# Altium PCB XT_NANO_DOCK.PcbDoc (continued)
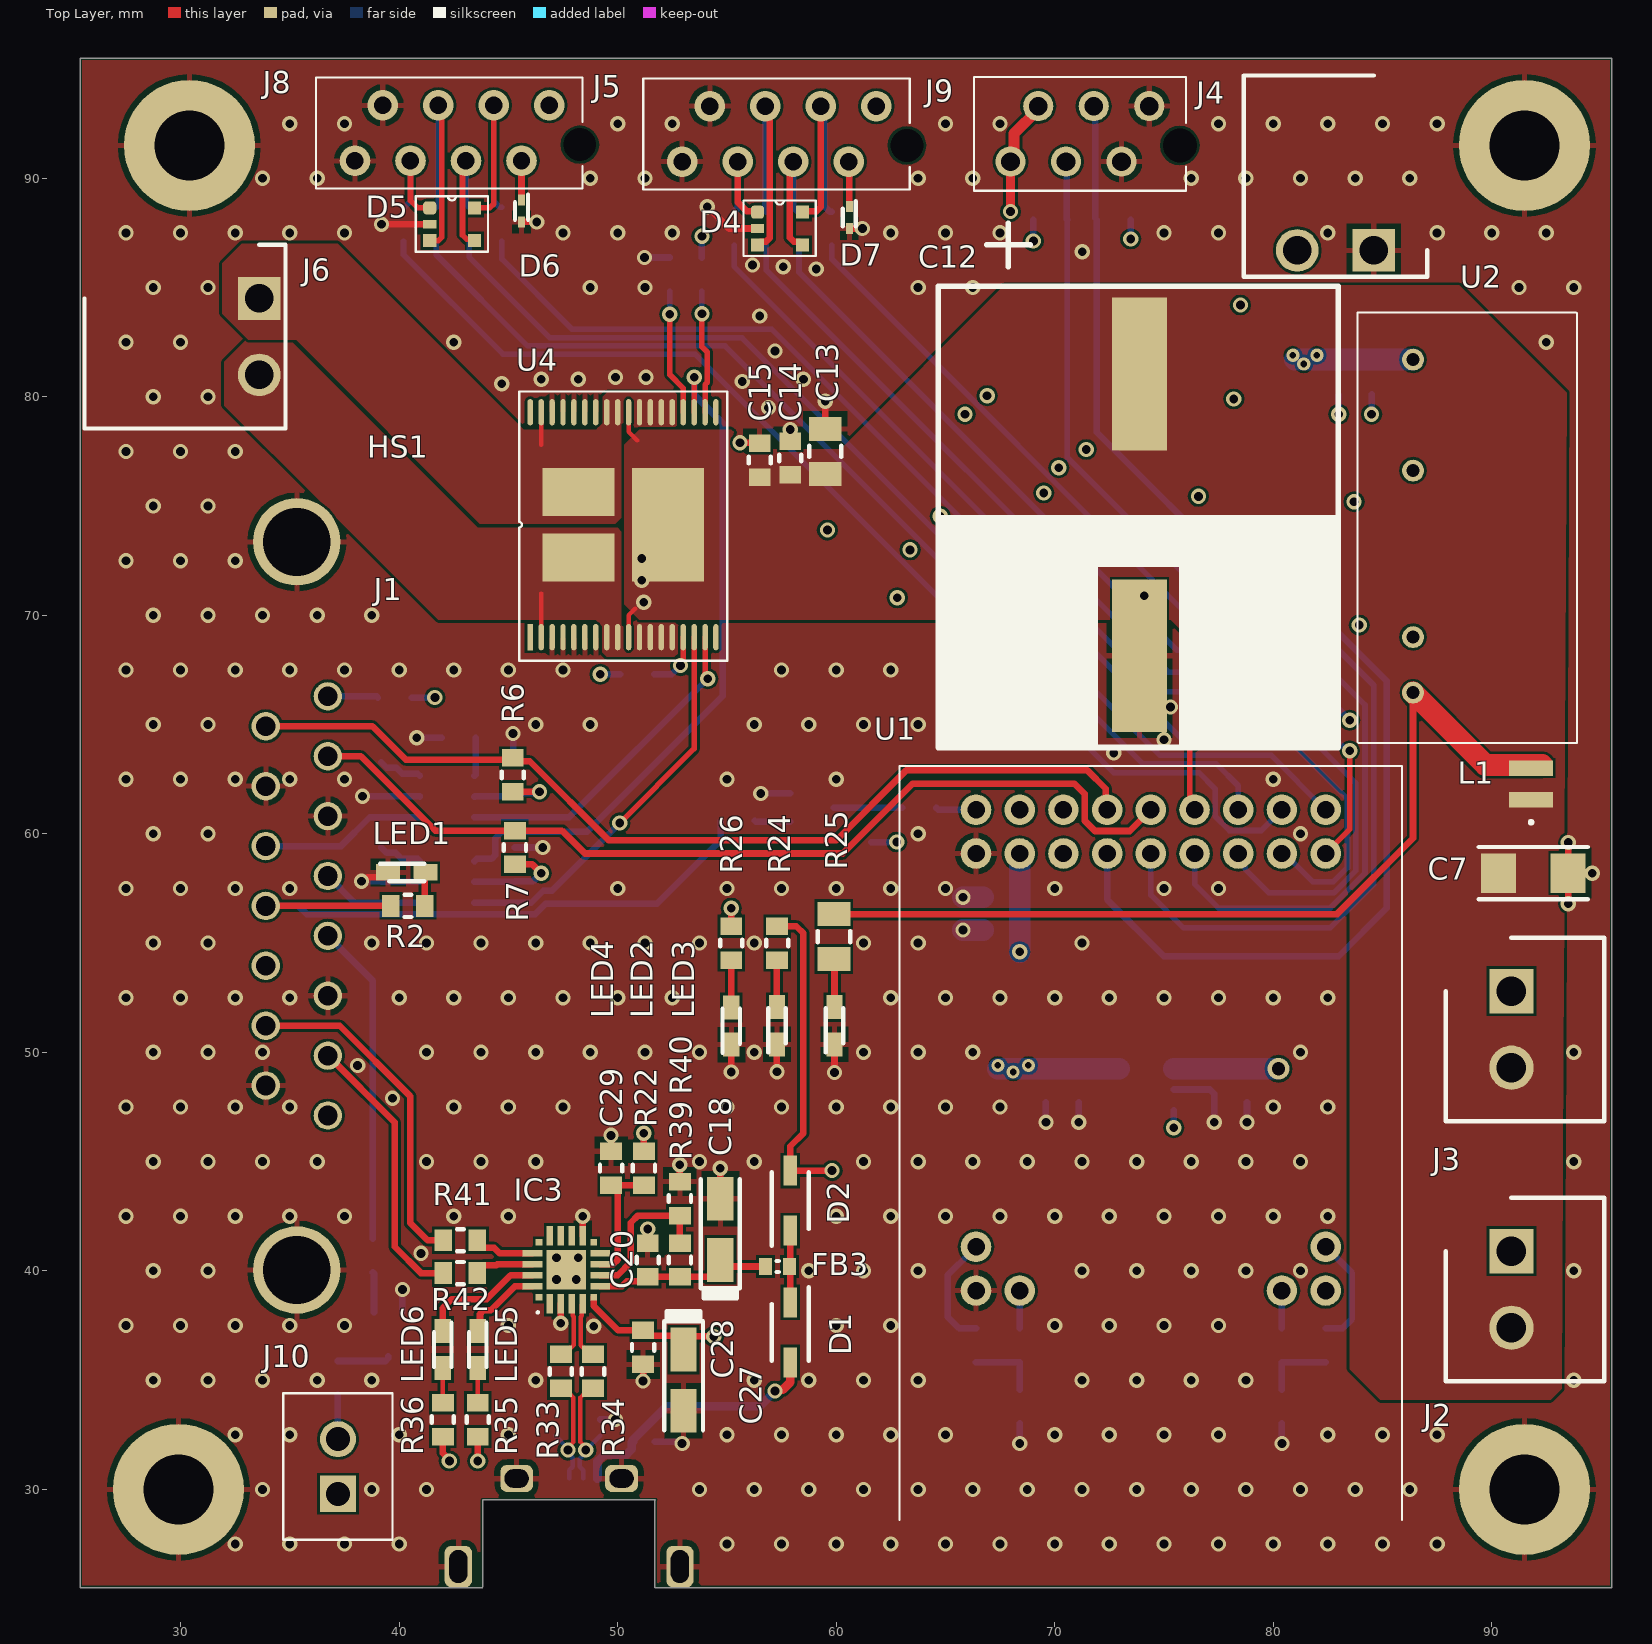
[diagram p0: Top Layer view]
## Components (designator, comment, footprint, x,y, rotation, side; value= is the part's Value field where it differs from the comment)
C1 "100nF" 0603-Capacitor 67.5,57.1 r180 bottom
C2 "1uF" 0603-Capacitor 67.5,55.6 r180 bottom
C3 "1nF" 0603-Capacitor 68.4,33.793 r270 bottom
C4 "1nF" 0603-Capacitor 80.4,33.793 r270 bottom
C5 "100nF" 0603-Capacitor 84.5,80.9 r270 bottom
C6 "1uF" 0603-Capacitor 83,80.877 r270 bottom
C7 "4.7uF" 1206-Capacitor 91.9,58.2 r0 top
C8 "1uF" 0603-Capacitor 77.3,48.4 r270 bottom
C9 "100nF" 0603-Capacitor 78.8,48.5 r270 bottom
C10 "100nF" 0603-Capacitor 71.1,48.5 r270 bottom
C11 "1uF" 0603-Capacitor 69.6,48.5 r270 bottom
C12 "470uF" EEV-FK1H471M 73.881,74.6 r0 top
C13 "22uF" 0805-Capacitor 59.5,77.5 r90 top
C14 "1uF" 0603-Capacitor 57.9,77.2 r90 top
C15 "100nF" 0603-Capacitor 56.5,77.1 r90 top
C16 "100nF" 0603-Capacitor 45.3,58.6 r90 bottom
C17 "100nF" 0603-Capacitor 45.213,62.5 r90 bottom
C18 "4.7uF" A_3216 54.7,41.9 r90 top
C19 "100nF" 0603-Capacitor 82.4,66.3 r315 bottom
C20 "100nF" 0603-Capacitor 51.376,40.5 r90 top
C27 "4.7uF" A_3216 53.015,35 r270 top
C28 "100nF" 0603-Capacitor 51.163,36.5 r270 top
C29 "100nF" 0603-Capacitor 49.7,44.7 r90 top
D1 "PMEG2010ER,115" SODFL3517X110N 57.9,37.186 r270 top
D2 "DNM" SODFL3517X110N 57.9,43.214 r90 top
D3 "TVS_3V3" SOT353 47.295,32.45 r0 bottom
D4 "TVS_3V3" SOT353 58.305,86.95 r180 top
D5 "TVS_3V3" SOT353 43.305,87.144 r180 top
D6 "ESD9101P2T5G" SODFL1006X40N 45.6,88.5 r270 top
D7 "ESD9101P2T5G" SODFL1006X40N 60.6,88.2 r270 top
D8 "ESD9101P2T5G" SODFL1006X40N 51.2,32.187 r0 bottom
FB3 "BLM18HE152SN1D" "0603-Ferrite bead" 57.318,40.2 r0 top value=1.5k
HS1 "APF19-19-13CB/A01" APF19-19-13CB/A01 50.25,74.146 r90 top
IC1 "74LVC1G19GV,125" SOT95P275X110-6N 42.2,61.704 r0 bottom
IC2 "74LVC1G19GV,125" SOT95P275X110-6N 42.2,57.8 r0 bottom
IC3 "CP2102N-A02-GQFN20" CP2102NA02GQFN20 47.65,40.05 r90 top
J1 "D Connector 15" DSUB_15_D15S33E4GV00LF 35.32,56.7 r270 top
J2 "1843606" SHDR2W80P0X350_1X2_840X725X920P 90.9,40.9 r270 top
J3 "1843606" SHDR2W80P0X350_1X2_840X725X920P 90.9,52.8 r270 top
J4 "39502-1002" SHDR2W110P0X350_1X2_840X920X690P 84.6,86.7 r180 top
J5 "Micromatch8" micromatch8 61.84,93.3 r180 top
J6 "39502-1002" SHDR2W110P0X350_1X2_840X920X690P 33.6,84.5 r270 top
J7 "microUSB" microUSB_molex_476540001 47.779,30.5 r90 bottom
J8 "Micromatch8" micromatch8 46.87,93.34 r180 top
J9 "2178710-6" 21787106 67.977,90.76 r0 top
J10 "1815264" 1815264 37.2,29.8 r90 top
L1 "6.8uH" NRH2410T6R8MN 91.8,62.282 r90 top
LED1 "IN-S63AT5YG" LEDM168X39N 40.349,58.238 r0 top
LED2 "IN-S63AT5A" LEDM168X39N 57.29,51.218 r90 top
LED3 "IN-S63AT5B" LEDM168X39N 59.924,51.218 r90 top
LED4 "IN-S63AT5YG" LEDM168X39N 55.2,51.2 r90 top
LED5 "IN-S63AT5A" LEDM168X39N 43.6,36.4 r270 top
LED6 "IN-S63AT5YG" LEDM168X39N 41.996,36.4 r270 top
Q1 "2V7002WT1G" SOT65P220X100-3N 58.9,61.2 r0 bottom
Q2 "2V7002WT1G" SOT65P220X100-3N 39.5,37.1 r270 bottom
R1 "1k" 0603-Resistor 61.6,60.4 r90 bottom
R2 "390R" 0603-Resistor 40.4,56.7 r180 top value=680R
R3 "1k" 0603-Resistor 55.5,60.6 r180 bottom
R4 "0R" 0603-Resistor 39.8,66.237 r180 bottom
R5 "0R" 0603-Resistor 63.8,61.2 r0 bottom
R6 "1k" 0603-Resistor 45.2,62.7 r270 top
R7 "1k" 0603-Resistor 45.3,59.375 r270 top
R8 "1k" 0603-Resistor 69.8,88.1 r180 bottom
R9 "1k" 0603-Resistor 72.7,88.1 r0 bottom
R10 "100R" 0603-Resistor 59.8,87.7 r270 bottom
R11 "75R" 0603-Resistor 68.4,36.6 r90 bottom
R12 "75R" 0603-Resistor 66.4,36.6 r90 bottom
R13 "75R" 0603-Resistor 80.4,36.6 r90 bottom
R14 "75R" 0603-Resistor 82.4,36.6 r90 bottom
R15 "100R" 0603-Resistor 58.3,87.675 r90 bottom
R16 "100R" 0603-Resistor 56.8,87.7 r270 bottom
R17 "100R" 0603-Resistor 55.328,87.7 r90 bottom
R18 "100R" 0603-Resistor 44.7,87.9 r270 bottom
R19 "100R" 0603-Resistor 43.2,87.9 r90 bottom
R20 "100R" 0603-Resistor 41.7,87.9 r270 bottom
R21 "100R" 0603-Resistor 40.2,87.9 r90 bottom
R22 "1k" 0603-Resistor 51.2,44.7 r90 top
R24 "680R" 0603-Resistor 57.3,55 r90 top
R25 "2.7k" 0805-Resistor 59.9,55.3 r90 top
R26 "390R" 0603-Resistor 55.2,55 r90 top value=680R
R27 "1k" 0603-Resistor 50.9,67.3 r180 bottom
R28 "1k" 0603-Resistor 52.384,85.6 r270 bottom
R29 "1k" 0603-Resistor 53.856,85.6 r90 bottom
R30 "1k" 0603-Resistor 39.187,62.5 r90 bottom
R31 "10k" 0603-Resistor 42.725,64.392 r0 bottom
R32 "1k" 0603-Resistor 39.187,58.6 r90 bottom
R33 "100R" 0603-Resistor 47.4,35.4 r270 top
R34 "100R" 0603-Resistor 48.872,35.4 r270 top
R35 "390R" 0603-Resistor 43.6,33.194 r270 top value=680R
R36 "390R" 0603-Resistor 42,33.194 r270 top value=680R
R37 "820R" 0603-Resistor 37.2,35.1 r90 bottom value=420R
R38 "1k" 0603-Resistor 38.8,40.7 r90 bottom
R39 "22.1k" 0603-Resistor 52.848,40.5 r90 top
R40 "47.5k" 0603-Resistor 52.848,43.307 r90 top
R41 "100R" 0603-Resistor 42.8,41.4 r0 top
R42 "100R" 0603-Resistor 42.8,39.9 r0 top
U1 "XT_Nano" XT-PICO 74.4,59.1 r90 top
U2 "IML0215S05" IML02S 86.4,66.46 r90 top
U3 "MCP1755T-3302E_OT" SOT95P270X145-5N 74.2,48.3 r180 bottom
U4 "VNH7040" PowerSSO-36 50.25,74.146 r90 top

## Footprints (in the part's own frame and the unit in brackets; to place one, negate y for a bottom-side part, rotate by r counter-clockwise, add the part's x,y. Pads: shape width x height; smd on the part's side, far side on the other; paste and mask are expansions set on the pad)
0603-Capacitor [mm] "Chip Resistor, 2-Leads, Body 1,6x0,8mm, IPC Medium Density"
  rect 0.8x1 smd: 1(-0.775,0) 2(0.775,0)
  silkscreen extent -0.15,-0.51 0.15,0.51, body extent -0.8,-0.4 0.8,0.4, height 0.3
"0603-Ferrite bead" [mm] "Inductor 0603"
  rect 0.6x0.8 smd: 1(-0.55,0) 2(0.55,0)
  silkscreen extent -0.05,-0.25 0.05,0.25, body extent -0.72,-0.33 0.73,0.32, height 0.8
0603-Resistor [mm] "Chip Resistor, 2-Leads, Body 1,6x0,8mm, IPC Medium Density"
  rect 0.8x1 smd: 1(-0.775,0) 2(0.775,0)
  silkscreen extent -0.15,-0.51 0.15,0.51, body extent -0.85,-0.45 0.85,0.45, height 0.55
0805-Capacitor [mm] "Chip Resistor, 2-Leads, Body 2,1x1,3mm, IPC Medium Density"
  rect 1.1x1.5 smd: 1(-1.025,0) 2(1.025,0)
  silkscreen extent -0.25,-0.74 0.25,0.74, body extent -1,-0.62 1,0.63, height 0.78
0805-Resistor [mm] "Chip Resistor, 2-Leads, Body 2,1x1,3mm, IPC Medium Density"
  rect 1.1x1.5 smd: 1(-1.025,0) 2(1.025,0)
  silkscreen extent -0.25,-0.74 0.25,0.74, body extent -1.05,-0.67 1.05,0.68, height 0.6
1206-Capacitor [mm]
  rect 1.6x1.8 smd: 1(-1.6,0) 2(1.6,0)
  silkscreen extent -2.5,-1.2 2.5,1.2, body extent -1.6,-0.8 1.6,0.8, height 1.5
1815264 [mm]
  rect 1.65x1.65 hole 1.1: 1(0,0)
  round 1.65 hole 1.1: 2(2.5,0)
  silkscreen extent -2.1,-2.5 4.6,2.5, body extent -2.1,-2.5 4.6,2.5, height 7.65
21787106 [mm]
  round 1.381 hole 0.85: 1(6.35,2.54) 2(5.08,0) 3(3.81,2.54) 4(2.54,0) 5(1.27,2.54) 6(0,0)
  round 0.775 hole 1.55 unplated: MH1(7.75,0.74)
  silkscreen extent -1.68,-1.33 8.03,3.87, body extent -1.47,-1.23 8.08,3.77, height 4.2
A_3216 [mm]
  rect 2x1.2 smd: 1(-1.4,0) 2(1.4,0)
  silkscreen extent -3.15,-0.89 2.29,0.89, body extent -1.7,-0.9 1.7,0.9, height 1.72
APF19-19-13CB/A01 [mm]
  body extent -9.5,-9.5 9.5,9.5, height 15.2
CP2102NA02GQFN20 [mm]
  rect 0.3x0.3 smd: 1(-1.25,1.25) 6(-1.25,-1.25) 11(1.25,-1.25) 16(1.25,1.25)
  rect 0.9x0.3 smd: 2(-1.55,0.75) 3(-1.55,0.25) 4(-1.55,-0.25) 5(-1.55,-0.75) 12(1.55,-0.75) 13(1.55,-0.25) 14(1.55,0.25) 15(1.55,0.75)
  rect 0.3x0.9 smd: 7(-0.75,-1.55) 8(-0.25,-1.55) 9(0.25,-1.55) 10(0.75,-1.55) 17(0.75,1.55) 18(0.25,1.55) 19(-0.25,1.55) 20(-0.75,1.55)
  rect 1.8x1.8 smd: 21(0,0)
  silkscreen extent -2,1.25 -1.9,1.35, body extent -1.5,-1.5 1.5,1.5, height 0.9
DSUB_15_D15S33E4GV00LF [mm]
  round 1.3 hole 0.9: 1(9.59,1.42) 2(6.85,1.42) 3(4.11,1.42) 4(1.37,1.42) 5(-1.37,1.42) 6(-4.11,1.42) 7(-6.85,1.42) 8(-9.59,1.42) 9(8.22,-1.42) 10(5.48,-1.42) 11(2.74,-1.42) 12(0,-1.42) 13(-2.74,-1.42) 14(-5.48,-1.42) 15(-8.22,-1.42)
  round 4 hole 3.1: 16(16.66,0) 17(-16.66,0)
  body extent -19.57,-15.65 19.57,3.1, height 12.55
EEV-FK1H471M [mm] "PanasonicCapacitor"
  rect 2.5x7 smd: 1(0,6.45) 2(0,-6.45)
  silkscreen extent -9.2,-10.65 9.1,13.35, body extent -8.5,-9.05 8.5,9.35, height 16.5
IML02S [mm] "IML0215S05"
  round 1 hole 0.6: 1(0,0) 2(2.54,0) 5(10.16,0) 7(15.24,0)
  silkscreen extent -2.3,-7.5 17.4,2.54, body extent -2.15,-7.4 17.35,2.4, height 12.89
LEDM168X39N [mm]
  rect 1.1x0.75 smd: 1(-0.85,0) 2(0.85,0)
  silkscreen extent -1.22,-0.4 0.8,0.4
micromatch8 [mm]
  round 1.4 hole 1.5: 0(-1.4,1.8)
  round 1.4 hole 0.8: 1(0,0) 2(1.27,2.54) 3(2.54,0) 4(3.81,2.54) 5(5.08,0) 6(6.35,2.54) 7(7.62,0) 8(8.89,2.54)
  silkscreen extent -1.52,-1.27 10.67,3.81, body extent -1.52,-1.23 10.57,3.77, height 4
microUSB_molex_476540001 [mm]
  rrect50% 1.9x1.25 hole 0.83 slot 1.5 at 0 deg: 0(-4.03,-5.07) 0(-4.03,5.07)
  rrect50% 1.25x1.5 hole 0.85 slot 1.1 at 90 deg: 0(0,-2.4) 0(0,2.4)
  rect 1.15x0.4 smd: 1(0,1.3) 2(0,0.65) 3(0,0) 4(0,-0.65) 5(0,-1.3)
  body extent -6.55,-5.21 0.25,5.22, height 2.18
NRH2410T6R8MN [mm]
  rect 0.7x2 smd: 1(-0.725,0) 2(0.725,0)
  silkscreen extent -1.8,-0.05 -1.7,0.05, body extent -1.2,-1.2 1.2,1.2, height 1.1
PowerSSO-36 [mm]
  rect 1.2x0.25 smd: 1(-5.146,4.25)
  oval 1.2x0.25 smd: 2(-5.146,3.75) 3(-5.146,3.25) 4(-5.146,2.75) 5(-5.146,2.25) 6(-5.146,1.75) 7(-5.146,1.25) 8(-5.146,0.75) 9(-5.146,0.25) 10(-5.146,-0.25) 11(-5.146,-0.75) 12(-5.146,-1.25) 13(-5.146,-1.75) 14(-5.146,-2.25) 15(-5.146,-2.75) 16(-5.146,-3.25) 17(-5.146,-3.75) 18(-5.146,-4.25) 19(5.146,-4.25) 20(5.146,-3.75) 21(5.146,-3.25) 22(5.146,-2.75) 23(5.146,-2.25) 24(5.146,-1.75) 25(5.146,-1.25) 26(5.146,-0.75) 27(5.146,-0.25) 28(5.146,0.25) 29(5.146,0.75) 30(5.146,1.25) 31(5.146,1.75) 32(5.146,2.25) 33(5.146,2.75) 34(5.146,3.25) 35(5.146,3.75) 36(5.146,4.25)
  rect 2.2x3.3 smd: 2(-1.5,2.05) 35(1.5,2.05)
  rect 5.2x3.3 smd: 10(0,-2.05)
  silkscreen extent -6.22,-4.77 6.1,4.75, body extent -5.17,-5.15 5.17,5.15, height 2.33
SHDR2W80P0X350_1X2_840X725X920P [mm]
  rect 2.025x2.025 hole 1.35: 1(0,0)
  round 2.025 hole 1.35: 2(3.5,0)
  silkscreen extent -2.45,-3 5.95,4.25, body extent -2.4,-3.03 6,4.22, height 9.2
SHDR2W110P0X350_1X2_840X920X690P [mm]
  rect 1.95x1.95 hole 1.3: 1(0,0)
  round 1.95 hole 1.3: 2(3.5,0)
  silkscreen extent -2.45,-8 5.95,1.2, body extent -2.5,-7.9 5.9,1.24, height 6.86
SODFL1006X40N [mm]
  rect 0.51x0.32 smd: 1(-0.5,0) 2(0.5,0)
  silkscreen extent -0.75,-0.3 0.4,0.3, body extent -0.5,-0.3 0.5,0.3, height 0.4
SODFL3517X110N [mm]
  rect 1.37x0.63 smd: 1(-1.375,0) 2(1.375,0)
  silkscreen extent -2.06,-0.85 1.3,0.85, body extent -1.75,-0.85 1.75,0.85, height 1.1
SOT65P220X100-3N [mm]
  rect 1.15x0.55 smd: 1(-1,0.65) 2(-1,-0.65) 3(1,0)
  silkscreen extent -1.58,-1 0.08,1.17, body extent -1.1,-1 1.1,1, height 1
SOT95P270X145-5N [mm]
  rect 1.4x0.6 smd: 1(-1.25,0.95) 2(-1.25,0) 3(-1.25,-0.95) 4(1.25,-0.95) 5(1.25,0.95)
  silkscreen extent -1.95,-1.45 0.2,1.5, body extent -1.35,-1.45 1.35,1.45, height 1.45
SOT95P275X110-6N [mm]
  rect 1.25x0.5 smd: 1(-1.25,0.95) 2(-1.25,0) 3(-1.25,-0.95) 4(1.25,-0.95) 5(1.25,0) 6(1.25,0.95)
  silkscreen extent -1.88,-1.45 0.28,1.55, body extent -1.37,-1.45 1.37,1.45, height 1.1
SOT353 [mm]
  rrect50% 0.6x0.6 smd: 1(1.905,-1.5)
  rect 0.6x0.4 smd: 2(1.905,-0.75)
  rect 0.6x0.6 smd: 3(1.905,0) 4(-0.149,0) 5(-0.149,-1.5)
  silkscreen extent -0.76,-2.03 2.54,0.51, body extent -0.31,-1.86 2.09,0.34, height 1.1
XT-PICO [mm]
  round 1.4 hole 0.8: 1(0,8) 2(0,6) 3(0,4) 4(0,2) 5(0,0) 6(0,-2) 7(0,-4) 8(0,-6) 9(0,-8) 10(2,8) 11(2,6) 12(2,4) 13(2,2) 14(2,0) 15(2,-2) 16(2,-4) 17(2,-6) 18(2,-8) 19(-20,8) 20(-20,6) 21(-20,-6) 22(-20,-8) 23(-18,8) 24(-18,-8)
  silkscreen extent -30.5,-11.5 4,11.5, body extent -37.42,-10.8 3.6,10.8, height 17.71

## Part data
C1 C2 C3 C4 C5 C6 C8 C9 C10 C11 C14 C15 C16 C17 C19 C20 C28 C29: library part C0603, "Capacitor", Package=0603, Part Number=C0603, Pin Count=2
C7: library part C1206, "Capacitor", Package=1206, Part Number=C1206, Pin Count=2
C12: library part Panasonic_FK_PCR_6.3_Capacitor, "Aluminum Electrolytic Capacitors", Dielectric="Aluminum Electrolytic", Manufacturer=Panasonic, ManufacturerNr=EEV-FK1H471M, Package=PCR-6.3-7.7, Tolerance=20%, Voltage Rating=50V, HelpURL=http://www.farnell.com/datasheets/2002520.pdf?_ga=2.2422448.16562209.1508850292-516227586.1495631175, Part Number=Panasonic_FK_PCR_6.3_Capacitor, Pin Count=2, Series=FK, Supplier 1=Farnell
C13: library part C0805, "Capacitor", Package=0805, Part Number=C0805, Pin Count=2
C18 C27: library part C_Case_A_3216, "Polarized Tantalum Capacitor", Manufacturer=AVX, ManufacturerNr=TAJA475K010RNJV, Package=A, Voltage Rating=10V, Part Number=C_Case_A_3216, Pin Count=2
D1: "Schottky Diode", Manufacturer_Name=Nexperia, Mouser Part Number=771-PMEG2010ER115, RS Part Number=8166824P, Datasheet Link=https://assets.nexperia.com/documents/data-sheet/PMEG2010ER.pdf, Height=1.1mm, Manufacturer_Part_Number=PMEG2010ER,115, Mouser Price/Stock=https://www.mouser.com/Search/Refine.aspx?Keyword=771-PMEG2010ER115, RS Price/Stock=http://uk.rs-online.com/web/p/products/8166824P
D2: library part PMEG2010ER,115, "Schottky Diode", Manufacturer_Name=Nexperia, Mouser Part Number=771-PMEG2010ER115, RS Part Number=8166824P, Datasheet Link=https://assets.nexperia.com/documents/data-sheet/PMEG2010ER.pdf, Height=1.1mm, Manufacturer_Part_Number=PMEG2010ER,115, Mouser Price/Stock=https://www.mouser.com/Search/Refine.aspx?Keyword=771-PMEG2010ER115, RS Price/Stock=http://uk.rs-online.com/web/p/products/8166824P
D3 D4 D5: "4 TVS dedicated for 3.3V circuits", Manufacturer=Nexperia, Manufacturer Nr=PESD3V3L4UG,115
D6 D7 D8: "TVS Diode (Uni-directional)", Manufacturer_Name="ON Semiconductor", Mouser Part Number=863-ESD9101P2T5G, Datasheet Link=http://www.onsemi.com/pub/Collateral/ESD9101-D.PDF, Height=0.4mm, Manufacturer_Part_Number=ESD9101P2T5G, Mouser Price/Stock=https://www.mouser.com/Search/Refine.aspx?Keyword=863-ESD9101P2T5G
FB3: "Ferrite Bead", Manufacturer=Murata, Package=0603, ManufacturerNr=BLM18HE152SN1D, Part Number=BLM18HE152SN1D, Pin Count=2
HS1: library part heatsink, Manufacturer="CTS Electronic Components", Manufacturer Nr=APF19-19-13CB/A01
IC1 IC2: "Integrated Circuit", Manufacturer_Name=Nexperia, Datasheet Link=https://assets.nexperia.com/documents/data-sheet/74LVC1G19.pdf, Height=1.1mm, Manufacturer_Part_Number=74LVC1G19GV,125
IC3: "Integrated Circuit", Manufacturer_Name="Silicon Labs", Mouser Part Number=634-CP2102NA02GQFN20, RS Part Number=1871330, Datasheet Link=https://www.silabs.com/documents/public/data-sheets/cp2102n-datasheet.pdf, Height=0.8mm, Manufacturer_Part_Number=CP2102N-A02-GQFN20, Mouser Price/Stock=https://www.mouser.com/Search/Refine.aspx?Keyword=634-CP2102NA02GQFN20, RS Price/Stock=http://uk.rs-online.com/web/p/products/1871330
J1: "Receptacle Assembly, 15 Position, Right Angle", Manufacturer="Amphenol ICC", Manufacturer Nr=D15S33E4GV00LF, PackageDocument=O, DatasheetDocument=1-Sep-99, Gender=Receptacle, LatestRevisionDate=17-Jul-2002, LatestRevisionNote="Re-released for DXP Platform.", Orientation="Right Angle", PackageReference=788757, Positions=15, Published=15-Jun-2001, Publisher="Altium Limited"
J2 J3: "Connector", Manufacturer_Name="Phoenix Contact", Mouser Part Number=651-1843606, RS Part Number=8042194, Allied Price/Stock=https://www.alliedelec.com/phoenixcontact-1843606/70054529/, Allied_Number=70054529, Datasheet Link=https://componentsearchengine.com/Datasheets/2/1843606.pdf, Height=9.2mm, Manufacturer_Part_Number=1843606, Mouser Price/Stock=https://www.mouser.com/Search/Refine.aspx?Keyword=651-1843606, RS Price/Stock=http://uk.rs-online.com/web/p/products/8042194
J4 J6: "Connector", Manufacturer_Name=Molex, Mouser Part Number=538-39502-1002, Allied Price/Stock=https://www.alliedelec.com/molex-incorporated-39502-1002/E5293141/, Allied_Number=E5293141, Datasheet Link=https://www.molex.com/webdocs/datasheets/pdf/en-us/0395021002_TERMINAL_BLOCKS.pdf, Height=6.9mm, Manufacturer_Part_Number=39502-1002, Mouser Price/Stock=https://www.mouser.com/Search/Refine.aspx?Keyword=538-39502-1002
J5 J8: Manufacturer="TE Connectivity", Manufacturer Nr=2178710-8
J7: library part microUSB_molex_476540001, "Molex 476540001", Manufacturer=Molex, Manufacturer Nr=476540001
J9: "Connector", Manufacturer_Name="TE Connectivity", Mouser Part Number=571-2178710-6, RS Part Number=8475468P, Datasheet Link=https://www.te.com/commerce/DocumentDelivery/DDEController?Action=showdoc&DocId=Customer+Drawing%7F2178710%7FA%7Fpdf%7FEnglish%7FENG_CD_2178710_A_pdf_c-2178710_drw.pdf%7F2178710-6, Height=4.2mm, Manufacturer_Part_Number=2178710-6, Mouser Price/Stock=https://www.mouser.com/Search/Refine.aspx?Keyword=571-2178710-6, RS Price/Stock=http://uk.rs-online.com/web/p/products/8475468P
J10: "Connector", Manufacturer_Name="Phoenix Contact", Mouser Part Number=651-1815264, RS Part Number=8020138, Allied Price/Stock=https://www.alliedelec.com/phoenixcontact-1815264/70282220/, Allied_Number=70282220, Datasheet Link=https://www.phoenixcontact.com/online/portal/in?uri=pxc-oc-itemdetail:pid=1815264&library=inen&tab=1, Height=7.65mm, Manufacturer_Part_Number=1815264, Mouser Price/Stock=https://www.mouser.com/Search/Refine.aspx?Keyword=651-1815264, RS Price/Stock=http://uk.rs-online.com/web/p/products/8020138
L1: library part LQG18HN22NJ00D, "Chip Inductor", Manufacturer="Taiyo Yuden", ManufacturerNr=NRH2410T6R8MN, Part Number=NRH2410T6R8MN, Pin Count=2
LED1 LED2 LED3 LED4 LED5 LED6: library part IN-S63AT5G, "LED", Manufacturer_Name=Inolux, Mouser Part Number=743-IN-S63AT5G, Datasheet Link=http://www.inolux-corp.com/datasheet/SMDLED/Mono%20Color%20Top%20View/IN-S63AT%20Series_V1.1.pdf, Height=0.39mm, Mouser Price/Stock=https://www.mouser.com/Search/Refine.aspx?Keyword=743-IN-S63AT5G
  LED1 LED4 LED6: Manufacturer_Part_Number=IN-S63AT5YG
  LED2 LED5: Manufacturer_Part_Number=IN-S63AT5A
  LED3: Manufacturer_Part_Number=IN-S63AT5B
Q1 Q2: "MOSFET (N-Channel)", Manufacturer_Name="ON Semiconductor", Mouser Part Number=863-2V7002WT1G, RS Part Number=7905246P, Datasheet Link=http://www.onsemi.com/pub/Collateral/2N7002W-D.PDF, Height=1mm, Manufacturer_Part_Number=2V7002WT1G, Mouser Price/Stock=https://www.mouser.com/Search/Refine.aspx?Keyword=863-2V7002WT1G, RS Price/Stock=http://uk.rs-online.com/web/p/products/7905246P
R1 R2 R3 R4 R5 R6 R7 R8 R9 R10 R11 R12 R13 R14 R15 R16 R17 R18 R19 R20 R21 R22 R24 R26 R27 R28 R29 R30 R31 R32 R33 R34 R35 R36 R37 R38 R39 R40 R41 R42: library part R0603, "Resistor", Package=0603, Part Number=R0603, Pin Count=2
R25: library part R0805, "Resistor", Package=0805, Part Number=R0805, Pin Count=2
U1: "XT nano module by ak-nord", Manufacturer=Ak-nord, Manufacturer Nr=XT-NANO-SXL
U2: "XP power converter 15V->5V, 400mA", Manufacturer="XP Power", Manufacturer Nr=IML0215S05
U3: "Undefined or Miscellaneous", Manufacturer_Name=Microchip, Manufacturer_Part_Number=MCP1755T-3302E/OT, Datasheet Link=https://componentsearchengine.com/Datasheets/1/MCP1755T-3302E_OT.pdf, Height=1.45mm
U4: "Engine driver/ H bridge", Manufacturer=STMicroelectronics, Manufacturer Nr=VNH7040AYTR

## Free pads (board coordinates)
  round 6 hole 3.2: 0(29.9,30) 0(30.4,91.5) 0(91.5,30) 0(91.5,91.5)

## Via types
v1: diameter 0.7, hole 0.4, Top Layer to Bottom Layer, tented both sides, 413 vias
v2: diameter 0.6, hole 0.3, Top Layer to Bottom Layer, tented both sides, 6 vias
v3: diameter 0.7, hole 0.4, Top Layer to Bottom Layer, tented bottom, 5 vias
v4: diameter 0.7, hole 0.4, Top Layer to Bottom Layer, 3 vias
v5: diameter 1, hole 0.6, Top Layer to Bottom Layer, tented both sides, 1 vias

## Nets (pads, with @x,y where several pads share a name; then routed paths per layer and width w, separated by ;. In a path a pad name is that pad's centre, name@x,y a point inside that pad or via, vN(x,y) a via of type N, cw(c..) or ccw(c..) an arc to the next point about the centre after c; other vN are vias at no path point)
GND: C1.2 C2.2 C3.2 C4.2 C5.2 C6.2 C7.2 C8.2 C9.2 C10.2 C11.2 C12.2 C13.2 C14.2 C15.2 C16.2 C17.2 C18.2 C19.2 C20.2 C27.2 C28.2 C29.2 D3.2 D4.2 D5.2 D6.2 D7.2 D8.2 IC1.2 IC2.2 IC3.3 IC3.12 IC3.21 J1.3 J1.6 J1.9 J1.14 J1.16 J1.17 J2.1 J3.1 J4.1 J5.7 J5.8 J7.0 J7.5 J8.7 J8.8 J9.1 J9.2 LED1.1 LED2.1 LED3.1 LED4.1 pad.0 Q1.2 Q2.2 R28.1 R30.1 R31.1 R32.1 R40.2 U1.1 U1.19 U2.2 U2.5 U3.2 U4.3 U4.4 U4.5 U4.6 U4.7 U4.30 U4.31 U4.32 U4.33 U4.34 | length 51.2
  Top Layer w0.3: v1(38.275,57.825) 38.383,57.825 38.571,58.013 39.274,58.013 LED1.1 ; v1(39.194,87.894) D5.2 ; D6.2 v1(46.3,88) ; v1(47.4,37.6) IC3.3 ; IC3.12 v1(48.4,42.5) ; C29.2 v1(49.7,46.2) ; v1(51.163,34.963) C28.2 ; C20.2 v1(51.376,41.912) ; R40.2 v1(52.848,44.852) ; v1(54.1,88.7) 55.1,87.7 D4.2 ; C18.2 v1(54.7,44.7) ; v1(55.2,49.1) LED4.1 ; v1@55.7,77.9 v1(55.6,77.9) 56.281,77.9 56.378,77.997 C15.2 ; v1(57.29,49.11) LED2.1 ; C14.2 v1(57.9,78.5) ; C13.2 v1(59.5,79.8) ; v1(59.924,49.076) LED3.1 ; D7.2 v1(61.2,87.7) ; v1(93.5,56.8) C7.2 ; v1(93.5,59.6) C7.2 ; v1(94.6,58.2) C7.2
  Bottom Layer w0.3: v1(38.275,57.825) R32.1 39.199,57.813 40.938,57.813 IC2.2 ; v1(38.325,61.725) R30.1 39.197,61.715 40.94,61.715 IC1.2 ; Q2.2 v1(40.15,39.15) ; v1(40.808,64.392) R31.1 ; C17.2 v1(45.213,64.587) ; C16.2 v1(46.575,59.375) ; D3.2 v1(49.9,33.2) ; v1(51.231,86.375) R28.1 ; v1(51.376,41.912) v1@51.4,41.936 ; D8.2 52.779,32.187 52.87,32.096 v1(52.95,32.096) ; v1(56.55,61.85) Q1.2 ; v1(68.4,32.1) C3.2 ; v1(69.6,46.8) C11.2 ; v1(71.1,46.8) C10.2 ; U3.2 77.1,48.3 77.3,48.1 C8.2 v1(77.3,46.8) ; v1(78.8,46.8) C9.2 ; v1(80.4,32.1) C4.2 ; C19.2 v1(83.5,65.2) ; v1(83,79.2) C6.2 ; v1(84.5,79.2) C5.2
  Bottom Layer w1: v1(65.8,55.6) C2.2 ; v1(65.8,57.1) C1.2
  other v1: 32.5,27.5 35,27.5 37.5,27.5 40,27.5 55,27.5 57.5,27.5 60,27.5 62.5,27.5 65,27.5 67.5,27.5 70,27.5 72.5,27.5 75,27.5 77.5,27.5 80,27.5 82.5,27.5 85,27.5 87.5,27.5 33.75,30 38.75,30 41.25,30 53.75,30 56.25,30 58.75,30 61.25,30 63.75,30 66.25,30 68.75,30 71.25,30 73.75,30 76.25,30 78.75,30 81.25,30 83.75,30 86.25,30 32.5,32.5 35,32.5 40,32.5 45,32.5 55,32.5 57.5,32.5 60,32.5 62.5,32.5 65,32.5 70,32.5 72.5,32.5 75,32.5 77.5,32.5 82.5,32.5 85,32.5 87.5,32.5 28.75,35 31.25,35 33.75,35 36.25,35 38.75,35 46.25,35 56.25,35 58.75,35 61.25,35 63.75,35 71.25,35 73.75,35 76.25,35 78.75,35 93.75,35 48.905,37.465 27.5,37.5 30,37.5 32.5,37.5 35,37.5 37.5,37.5 45,37.5 60,37.5 62.5,37.5 70,37.5 72.5,37.5 75,37.5 77.5,37.5 28.75,40 31.25,40 58.75,40 61.25,40 63.75,40 71.25,40 73.75,40 76.25,40 78.75,40 81.25,40 93.75,40 27.5,42.5 30,42.5 32.5,42.5 35,42.5 37.5,42.5 42.5,42.5 45,42.5 60,42.5 62.5,42.5 65,42.5 67.5,42.5 70,42.5 72.5,42.5 75,42.5 77.5,42.5 80,42.5 82.5,42.5 28.75,45 31.25,45 33.75,45 36.25,45 41.25,45 43.75,45 46.25,45 53.75,45 56.25,45 61.25,45 63.75,45 66.25,45 68.75,45 71.25,45 73.75,45 76.25,45 78.75,45 81.25,45 93.75,45 27.5,47.5 30,47.5 32.5,47.5 35,47.5 42.5,47.5 45,47.5 47.5,47.5 55,47.5 57.5,47.5 60,47.5 62.5,47.5 65,47.5 67.5,47.5 80,47.5 82.5,47.5 28.75,50 31.25,50 33.75,50 41.25,50 43.75,50 46.25,50 48.75,50 51.25,50 53.75,50 56.25,50 61.25,50 63.75,50 66.25,50 81.25,50 93.75,50 27.5,52.5 30,52.5 32.5,52.5 35,52.5 40,52.5 42.5,52.5 45,52.5 47.5,52.5 50,52.5 52.5,52.5 62.5,52.5 65,52.5 67.5,52.5 70,52.5 72.5,52.5 75,52.5 77.5,52.5 80,52.5 82.5,52.5 28.75,55 31.25,55 38.75,55 41.25,55 43.75,55 46.25,55 48.75,55 51.25,55 53.75,55 56.25,55 61.25,55 63.75,55 71.25,55 27.5,57.5 30,57.5 32.5,57.5 35,57.5 50,57.5 55,57.5 57.5,57.5 60,57.5 62.5,57.5 65,57.5 70,57.5 75,57.5 77.5,57.5 28.75,60 31.25,60 63.75,60 81.25,60 27.5,62.5 30,62.5 32.5,62.5 35,62.5 37.5,62.5 55,62.5 60,62.5 80,62.5 72.7,63.7 75,64.3 28.75,65 31.25,65 46.25,65 48.75,65 56.25,65 58.75,65 61.25,65 63.75,65 66.25,65 68.75,65 78.75,65 75.3,65.8 27.5,67.5 30,67.5 32.5,67.5 35,67.5 37.5,67.5 40,67.5 42.5,67.5 45,67.5 47.5,67.5 57.5,67.5 60,67.5 62.5,67.5 65,67.5 83.937,69.555 69.5,69.8 28.75,70 31.25,70 33.75,70 36.25,70 38.75,70 76.899,70.046 62.8,70.8 79.914,71.134 27.5,72.5 30,72.5 32.5,72.5 79.635,72.657 63.381,72.994 73.418,73.526 75.358,73.774 59.6,73.9 64.763,74.534 28.75,75 31.25,75 83.7,75.2 76.579,75.442 69.5,75.6 70.189,76.755 27.5,77.5 30,77.5 32.5,77.5 71.448,77.589 65.9,79.2 56.9,79.5 78.2,79.9 28.75,80 31.25,80 66.908,80.053 44.7,80.6 55.7,80.7 46.5,80.8 48.2,80.8 58.5,80.8 49.9,80.9 51.3,80.9 57.2,82.1 27.5,82.5 30,82.5 42.5,82.5 92.5,82.5 56.5,83.7 78.5,84.2 28.75,85 31.25,85 48.75,85 51.25,85 63.75,85 66.25,85 91.25,85 93.75,85 59.084,85.851 57.578,85.949 56.168,86.03 71.263,86.642 27.5,87.5 30,87.5 32.5,87.5 35,87.5 37.5,87.5 47.5,87.5 50,87.5 52.5,87.5 62.5,87.5 65,87.5 67.5,87.5 75,87.5 77.5,87.5 82.5,87.5 87.5,87.5 90,87.5 92.5,87.5 33.75,90 36.25,90 48.75,90 51.25,90 63.75,90 66.25,90 76.25,90 78.75,90 81.25,90 83.75,90 86.25,90 35,92.5 37.5,92.5 50,92.5 52.5,92.5 65,92.5 67.5,92.5 77.5,92.5 80,92.5 82.5,92.5 85,92.5 87.5,92.5
  other v3: 47.2,39.6 48.1,39.6 47.2,40.6 48.2,40.6 74.1,70.9
  other v4: 41,40.8 39.7,47.9 38.1,49.4
INA: IC2.6 U4.16 | length 18.1
  Top Layer w0.254: v1(50.1,60.5) 53.5,63.9 U4.16
  Bottom Layer w0.3: IC2.6 46.05,56.85 46.6,57.4 47,57.4 v1(50.1,60.5)
INB: IC2.4 U4.21 | length 31.7
  Top Layer w0.254: U4.21 v1(53.5,80.9)
  Bottom Layer w0.3: IC2.4 43.55,58.85 44.224,58.85 44.4,59.026 44.4,59.8 44.7,60.1 48.6,60.1 54.8,66.3 54.8,78.8 53.5,80.1 v1(53.5,80.9)
MISO0: R17.1 U1.8 | length 46.1
  Bottom Layer w0.254: R17.1 55.328,85.972 74.8,66.5 78.5,66.5 83.4,61.6 83.4,58.458 82.742,57.8 81.818,57.8 80.518,59.1 U1.8
MISO0_prot: D4.1 J5.6 R17.2 | length 5.3
  Top Layer w0.3: J5.6 55.49,88.91 55.901,88.499 56.351,88.499 D4.1
  Bottom Layer w0.3: R17.2 55.49,88.637 J5.6
MISO1: R21.1 U1.17 | length 52.9
  Bottom Layer w0.254: R21.1 40.2,86.5 44.748,81.952 53.548,81.952 72.7,62.8 76.6,62.8 77.347,62.053 77.347,60.802 77.996,60.153 79.453,60.153 U1.17
MISO1_prot: D5.1 J8.6 R21.2 | length 5.1
  Top Layer w0.254: J8.6 40.52,88.98 40.856,88.644 D5.1
  Bottom Layer w0.254: R21.2 40.247,88.675 40.52,88.948 J8.6
MOSI0: R15.1 U1.9 | length 40.6
  Top Layer w0.254: U1.9 83.5,60.2 v1(83.5,63.8)
  Bottom Layer w0.254: R15.1 58.3,85.7 75.6,68.4 78.8,68.4 83.4,63.8 v1(83.5,63.8)
MOSI0_prot: D4.4 J5.4 R15.2 | length 6.7
  Top Layer w0.3: J5.4 57.884,90.614 57.884,87.276 58.06,87.1 58.304,87.1 D4.4
  Bottom Layer w0.3: J5.4 58.03,88.7 58.28,88.45 R15.2
MOSI1: R19.1 U1.18 | length 50.4
  Bottom Layer w0.254: R19.1 43.2,86.4 46.9,82.7 55.7,82.7 74.8,63.6 79.9,63.6 U1.18
MOSI1_prot: D5.4 J8.4 R19.2 | length 6.3
  Top Layer w0.254: J8.4 42.9,90.64 42.9,87.4 43.1,87.2 43.398,87.2 D5.4
  Bottom Layer w0.254: J8.4 43.06,88.815 R19.2
NetC3_1: C3.1 R11.1 R12.1 | length 3.3
  Bottom Layer w0.3: R12.1 R11.1 C3.1
NetC4_1: C4.1 R13.1 R14.1 | length 3.3
  Bottom Layer w0.3: C4.1 R13.1 R14.1
NetC18_1: C18.1 C20.1 FB3.1 IC3.7 R39.1 | length 8.4
  Top Layer w0.3: IC3.7 50.2,39.3 50.426,39.526 51.177,39.526 C20.1 R39.1 54.25,39.725 54.7,40.175 C18.1 55,40.2 FB3.1
NetD1_1: D1.1 D2.1 FB3.2 | length 3.3
  Top Layer w0.3: D1.1 D2.1
NetIC1_1: IC1.1 J1.13 | length 7.6
  Bottom Layer w0.3: J1.13 37.34,59.44 38.654,60.754 IC1.1
NetIC1_3: IC1.3 R30.2 | length 2
  Bottom Layer w0.3: R30.2 39.437,63.025 39.875,63.025 40.146,62.754 40.85,62.754 IC1.3
NetIC1_4: IC1.4 R31.2 | length 1.8
  Bottom Layer w0.3: IC1.4 43.5,62.704 R31.2
NetIC2_1: IC2.1 J1.5 | length 4.7
  Bottom Layer w0.3: J1.5 37.96,56.85 IC2.1
NetIC2_3: IC2.3 R32.2 | length 2
  Bottom Layer w0.3: R32.2 39.437,59.125 39.85,59.125 40.125,58.85 40.85,58.85 IC2.3
NetIC3_8: IC3.8 R39.2 R40.1 | length 7.1
  Top Layer w0.3: IC3.8 50,39.8 50.6,40.4 50.6,42.2 50.932,42.532 R40.1 R39.2
NetIC3_17: IC3.17 R41.2 | length 2.8
  Top Layer w0.3: R41.2 43.575,41.3 43.825,41.05 44.35,41.05 44.6,40.8 IC3.17
NetIC3_18: IC3.18 R42.2 | length 2.7
  Top Layer w0.3: R42.2 43.575,40 43.825,40.25 44.45,40.25 44.5,40.3 IC3.18
NetJ1_2: J1.2 R42.1 | length 12.7
  Top Layer w0.3: J1.2 39.8,46.79 39.8,41.1 41,39.9 R42.1
NetJ1_8: J1.8 R4.2 | length 2.3
  Bottom Layer w0.3: J1.8 38.972,66.29 R4.2
NetJ1_10: J1.10 R41.1 | length 15.6
  Top Layer w0.3: J1.10 37.28,51.22 40.5,48 40.5,42.2 41.3,41.4 R41.1
NetJ6_1: J6.1 U4.23 U4.24 U4.25 U4.26 U4.28 U4.29 U4.35 | length 1.5
  Top Layer w0.2: 46.5,77.8 U4.35@46.5,79.292
NetJ6_2: J6.2 U4.2 U4.8 U4.9 U4.11 U4.12 U4.13 U4.14 | length 2
  Top Layer w0.2: U4.2@46.5,69 46.5,71
NetJ10_2: J10.2 R37.1 | length 2
  Bottom Layer w0.3: J10.2 R37.1
NetL1_2: L1.2 R25.2 U2.1 | length 41.9
  Top Layer w0.305: R25.2 82.925,56.325 86.4,59.8 U2.1
  Top Layer w1: U2.1 89.703,63.157 L1.2@92.3,63.157
NetLED1_2: LED1.2 R2.1 | length 1.5
  Top Layer w0.3: R2.1 41.175,58.214 LED1.2
NetLED2_2: LED2.2 R24.1 | length 2.2
  Top Layer w0.3: LED2.2 57.29,54.215 R24.1
NetLED3_2: LED3.2 R25.1 | length 2.2
  Top Layer w0.3: R25.1 59.924,54.251 LED3.2
NetLED4_2: LED4.2 R26.1 | length 2.2
  Top Layer w0.3: LED4.2 R26.1
NetLED5_2: LED5.2 R35.1 | length 1.6
  Top Layer w0.2: R35.1 LED5.2
NetLED6_2: LED6.2 R36.1 | length 1.6
  Top Layer w0.2: LED6.2 42,35.546 R36.1
NetQ1_1: Q1.1 R3.1 | length 1.6
  Bottom Layer w0.3: R3.1 56.325,60.55 Q1.1
NetQ2_1: Q2.1 R38.1 | length 1.8
  Bottom Layer w0.3: R38.1 38.85,39.875 Q2.1
NetQ2_3: Q2.3 R37.2 | length 2.5
  Bottom Layer w0.3: R37.2 39.375,35.875 39.5,36 Q2.3
NetR5_2: R5.2 U1.10 | length 1.9
  Bottom Layer w0.3: R5.2 64.675,61.1 U1.10
NetR27_1: R27.1 U4.15 | length 2.7
  Top Layer w0.254: v1@53,67.82 U4.15
  Top Layer w0.3: v1(52.88,67.7) v1@53,67.82
  Bottom Layer w0.3: R27.1 52.48,67.3 v1(52.88,67.7)
NetR28_2: R28.2 U4.22 | length 5.8
  Top Layer w0.254: v1(52.384,83.772) 52.384,81.016 53,80.4 U4.22
  Bottom Layer w0.254: v1(52.384,83.772) R28.2
NetR29_1: R29.1 U4.20 | length 5.7
  Top Layer w0.254: v1(53.856,83.8) 53.856,82.289 54.1,82.046 54.1,80.656 54,80.556 U4.20
  Bottom Layer w0.254: v1(53.856,83.8) R29.1
PDC_3V3: J1.12 R2.2 R3.2 | length 29
  Top Layer w0.3: J1.12 R2.2
  Bottom Layer w0.3: J1.12 35.4,56.7 35.77,56.33 46.23,56.33 46.7,56.8 51.8,56.8 54.725,59.725 R3.2
PDC_3V3_buff: Q1.3 R1.2 R5.1 | length 3.1
  Bottom Layer w0.3: Q1.3 R5.1
PDC_Status: J1.4 R38.2 | length 14.7
  Bottom Layer w0.3: J1.4 38.8,53.27 R38.2
POE12: R12.2 U1.23 | length 5.4
  Bottom Layer w0.3: R12.2 65.625,37.375 65.1,37.9 65.1,39.8 66.2,40.9 66.2,41.1 U1.23
POE36: R14.2 U1.24 | length 5.2
  Bottom Layer w0.3: R14.2 83.175,37.375 83.6,37.8 83.6,39.9 U1.24
POE45: R13.2 U1.21 | length 1.7
  Bottom Layer w0.3: R13.2 U1.21
POE78: R11.2 U1.20 | length 1.7
  Bottom Layer w0.3: R11.2 U1.20
PWM_buff: IC1.6 U4.17 | length 15.2
  Top Layer w0.254: v1@54,67.328 U4.17
  Top Layer w0.3: v1@54,67.328 54.12,67.208 v1(54.12,67.1)
  Bottom Layer w0.3: IC1.6 47.774,60.754 v1(54.12,67.1)
R\S\T\: C29.1 IC3.9 R22.1 | length 5.9
  Top Layer w0.3: IC3.9 49.8,40.3 50,40.5 50,43.675 C29.1@49.75,43.925 ; C29.1 C29.1@49.75,43.925 ; R22.1 C29.1@49.75,43.925
RXLED: IC3.19 LED6.1 | length 5.8
  Top Layer w0.3: LED6.1 41.996,38.296 42.4,38.7 44,38.7 45.1,39.8 IC3.19
SCK0: R16.2 U1.7 | length 48.6
  Bottom Layer w0.254: R16.2 56.8,85.8 75.2,67.4 78.7,67.4 83.774,62.326 83.774,58.303 82.771,57.3 79.8,57.3 78.71,58.39 78.71,58.479 78.4,58.79 U1.7
SCK0_prot: D4.3 J5.5 R16.1 | length 11.7
  Top Layer w0.3: D4.3 56.55,87.1 56.794,87.1 56.97,87.276 56.97,93.09 J5.5
  Bottom Layer w0.3: J5.5 56.76,88.515 R16.1
SCK1: R20.2 U1.16 | length 48.5
  Bottom Layer w0.254: R20.2 41.7,86.5 45.874,82.326 54.918,82.326 74.044,63.2 77.4,63.2 78.4,62.2 U1.16
SCK1_prot: D5.3 J8.5 R20.1 | length 11.4
  Top Layer w0.254: D5.3 41.795,87.144 41.947,87.296 41.947,93.183 J8.5
  Bottom Layer w0.254: R20.1 41.79,88.765 J8.5
SCL0: J9.4 R8.1 U1.5 | length 54.6
  Bottom Layer w0.254: R8.1 70.575,77.225 77.4,70.4 81,70.4 84.6,66.8 84.6,57.7 82.6,55.7 75.9,55.7 74.4,57.2 U1.5
  Bottom Layer w0.3: J9.4 70.546,90.731 70.546,88.129 R8.1
SCL1: J1.7 R7.1 U1.14 | length 42.8
  Top Layer w0.3: J1.7 38.25,63.55 41.65,60.15 R7.1 47.45,60.15 48.5,59.1 60.3,59.1 63.5,62.3 70.9,62.3 71.37,61.83 71.37,60.606 71.846,60.13 73.43,60.13 U1.14
SDA0: J9.3 R9.1 U1.4 | length 60.3
  Bottom Layer w0.3: J9.3 71.856,93.231 71.856,88.169 R9.1 71.925,78.375 78.5,71.8 80.4,71.8 85.2,67 85.2,56.6 83,54.4 75,54.4 72.4,57 U1.4
SDA1: J1.15 R6.1 U1.13 | length 43.3
  Top Layer w0.3: J1.15 38.78,64.92 40.3,63.4 45.125,63.4 R6.1 45.349,63.326 45.974,63.326 49.6,59.7 60,59.7 63.2,62.9 71.5,62.9 72.337,62.063 72.337,61.163 U1.13
SS0: R10.2 U1.6 | length 51.5
  Bottom Layer w0.254: R10.2 59.807,86.918 59.807,86.293 76.9,69.2 80.9,69.2 84.2,65.9 84.2,58.2 82.6,56.6 77.5,56.6 76.4,57.7 U1.6
SS0_prot: D4.5 J5.3 R10.1 | length 10.6
  Top Layer w0.3: D4.5 58.504,88.5 59.1,88.5 59.3,88.7 J5.3
  Bottom Layer w0.3: J5.3 59.45,93.15 59.45,88.725 59.7,88.475 R10.1
SS1: R18.2 U1.15 | length 44.8
  Top Layer w0.254: v1(76.3,64.2) 76.185,64.085 76.185,61.315 U1.15
  Bottom Layer w0.254: R18.2 44.7,86.3 47.9,83.1 57.044,83.1 75.859,64.285 76.215,64.285 v1(76.3,64.2)
SS1_prot: D5.5 J8.3 R18.1 | length 10.3
  Top Layer w0.254: D5.5 44.144,88.644 44.33,88.83 J8.3
  Bottom Layer w0.254: J8.3 44.33,88.948 44.603,88.675 R18.1
TXLED: IC3.20 LED5.1 | length 3.7
  Top Layer w0.3: LED5.1 43.7,37.35 43.7,38.024 43.876,38.2 44.2,38.2 45.3,39.3 IC3.20
USB_N: IC3.5 R34.1 | length 2.6
  Top Layer w0.2: IC3.5 48.35,38.45 48.35,37.94 48.31,37.9 48.31,36.592 48.427,36.475 48.472,36.475 R34.1@48.772,36.175
USB_P: IC3.4 R33.1 | length 2.6
  Top Layer w0.2: R33.1@47.5,36.175 47.8,36.475 47.859,36.475 47.99,36.606 47.99,37.9 47.95,37.94 47.95,38.45 IC3.4
USB_prot_N: D3.3 J7.2 R34.2 | length 5.7
  Top Layer w0.2: v1(48.546,31.8) 48.546,31.917 48.296,32.167 48.296,34.208 48.413,34.325 48.572,34.325 R34.2
  Bottom Layer w0.2: J7.2 48.429,30.875 48.264,31.04 48.264,31.401 48.546,31.683 v1(48.546,31.8) 48.55,31.8 D3.3
USB_prot_P: D3.4 J7.3 R33.2 | length 5.6
  Top Layer w0.2: R33.2 47.7,34.325 47.859,34.325 47.976,34.208 47.976,32.167 47.726,31.917 v1(47.726,31.8)
  Bottom Layer w0.2: D3.4 47.726,31.87 v1(47.726,31.8) 47.726,31.665 47.944,31.446 47.944,31.04 47.779,30.875 J7.3
VCC_3V3: C1.1 C2.1 C10.1 C11.1 C16.1 C17.1 C19.1 IC1.5 IC2.5 J9.5 J9.6 R1.1 R4.1 R6.2 R7.2 R8.2 R9.2 R26.2 R27.2 R29.2 U1.2 U3.5 | length 31.9
  Top Layer w0.3: R6.2 v1(46.425,61.925) ; R7.2 46.1,58.6 v1(46.5,58.2) ; R26.2 v1(55.2,56.6)
  Top Layer w0.4: v1(67.977,88.477) J9.6
  Top Layer w0.5: J9.6 68.146,90.929 68.146,92.046 69.247,93.147 J9.5
  Bottom Layer w0.3: R4.1 v1(41.637,66.237) ; IC2.5 43.462,57.813 45.288,57.813 C16.1 46.125,57.825 v1(46.5,58.2) ; IC1.5 43.46,61.715 45.203,61.715 C17.1 45.337,61.848 46.348,61.848 v1(46.425,61.925) ; v1(49.2,67.3) R27.2 ; R29.2 v1(53.856,87.344) ; R1.1 v1(62.775,59.625) ; v1(69.025,87.125) R8.2 ; v1(73.475,87.225) R9.2
  Bottom Layer w0.5: v1(81.3,67.4) C19.1
  Bottom Layer w1: v2@67.4,49.25 U3.5 ; v1(68.4,54.6) U1.2
  other v2: 68.1,49.1 67.4,49.4 68.8,49.4
VCC_3V3_Conv: C27.1 C28.1 IC3.6 R22.2 R35.2 R36.2 | length 10.3
  Top Layer w0.3: R36.2 42,31.661 42.2,31.461 42.2,31.3 v1(42.3,31.3) ; v1(43.6,31.3) R35.2 ; IC3.6 48.9,38.4 50.025,37.275 C28.1 51.413,37.025 52.565,37.025 53.015,36.575 C27.1@53.015,36.55 ; R22.2 v1(51.2,46.3) ; C27.1 C27.1@53.015,36.55 ; v1(54.4,37) 53.465,37 C27.1@53.015,36.55
VCC_5V: C5.1 C6.1 C8.1 C9.1 D2.2 D6.1 D7.1 J4.2 J5.1 J5.2 J8.1 J8.2 J10.1 R24.2 U2.7 U3.1 U3.3 | length 29.2
  Top Layer w0.3: D6.1 J8.2 ; R24.2 58.175,55.775 58.5,55.45 58.5,46.3 57.9,45.7 D2.2 v1(59.811,44.589) ; J5.2 60.59,90.74 60.59,88.71 D7.1
  Bottom Layer w0.3: v1(75.45,46.55) U3.3
  Bottom Layer w1: U3.1 v5(80.25,49.25) ; v2@81,81.7 82.952,81.7 C6.1 ; C6.1@83,81.7 U2.7
  other v2: 81.4,81.5 80.9,81.9 82,81.9
VCC_5VUSB: D1.2 D8.1 J7.1 | length 12.3
  Top Layer w0.4: v1(57.2,34.5) 57.257,34.557 57.557,34.557 57.9,34.9 D1.2
  Bottom Layer w0.3: J7.1 J7.1@49.129,30.55
  Bottom Layer w0.4: J7.1 49.079,31.279 49.4,31.6 50.4,31.6 50.645,31.845 50.645,32.147 50.685,32.187 D8.1 50.7,32.266 52.234,33.8 56.5,33.8 v1(57.2,34.5)
VCC_15V: C7.1 C12.1 C13.1 C14.1 C15.1 J1.1 J2.2 J3.2 L1.1 U4.10 U4.27 | length 2.9
  Top Layer w0.2: U4.10@50.5,69 50.5,70 50.8,70.3 ; U4.27 50.5,78.4 50.9,78
  other v1: 51.2,70.6 51.1,71.6 51.1,72.6
pads on no net: D3.1 D3.5 IC3.1 IC3.2 IC3.10 IC3.11 IC3.13 IC3.14 IC3.15 IC3.16 J1.11 J5.0 J7.4 J8.0 J9.MH1 U1.3 U1.11 U1.12 U1.22 U3.4 U4.1 U4.18 U4.19 U4.36

## Polygon pours and split planes (outlines as drawn)
GND on Top Layer "GND_L01_P006" (solid, pour order 6): 25.4,95.5 95.5,95.5 95.5,25.5 25.4,25.5
VCC_15V on Top Layer "VCC_15V_L01_P000" (solid, remove dead copper, pour order 0): 93.2,34.6 92.7,34.1 84.9,34.1 83.5,35.5 83.5,61.6 75.3,69.8 51,69.8 50.3,70.5 50.3,77.8 51,78.5 55.2,78.5 56.1,77.6 60.3,77.6 60.3,77.7 67.7,85.1 88.505,85.1 93.428,80.177
NetJ6_1 on Top Layer "NETJ6_1_L01_P004" (solid, pour order 4): 49.015,78.5 49.315,78.8 49.315,80 49.515,80.2 52.615,80.2 52.7,80.115 52.7,78.685 52.615,78.6 50.185,78.6 50.185,77.8 49.015,77.8
NetJ6_2 on Top Layer "NETJ6_2_L01_P003" (solid, pour order 3): 49,69.8 49.3,69.5 49.3,68.3 49.5,68.1 52.6,68.1 52.8,68.3 52.8,69.5 52.5,69.8 50.2,69.8 50.2,70.47 50.17,70.5 49,70.5
NetJ6_2 on Top Layer "NETJ6_2_L01_P002" (solid, pour order 2): 50.3,73.7 50,74 43.6,74 35,82.6 33,82.6 32,81.6 32,79.6 41.8,69.8 49.6,69.8 50.3,70.5
NetJ6_1 on Top Layer "NETJ6_1_L01_P001" (solid, pour order 1): 50.3,77.8 49.6,78.5 45.7,78.5 37.2,87 32.8,87 31.9,86.1 31.9,83.8 33.1,82.6 35.3,82.6 43.7,74.2 49.9,74.2 50.3,74.6
GND on Bottom Layer "GND_L04_P005" (solid, remove dead copper, pour order 5): 25.4,95.5 95.5,95.5 95.5,25.5 25.4,25.5
GND on Ground plane (split plane): 94.99,26.01 52.21,26.01 52.21,29.356 52.23,29.42 52.24,29.52 52.23,29.62 52.201,29.715 52.154,29.804 52.09,29.881 52.013,29.944 51.925,29.992 51.829,30.021 51.729,30.03 43.829,30.03 43.73,30.021 43.634,29.992 43.546,29.944 43.468,29.881 43.405,29.804 43.358,29.715 43.329,29.62 43.319,29.52 43.319,26.01 25.91,26.01 25.91,94.99 94.99,94.99
VCC_5V on Power plane (split plane): 94.99,26.01 56.929,26.01 56.929,33.146 59.292,35.508 59.32,35.55 59.329,35.6 59.329,45.1 59.32,45.15 59.292,45.192 59.25,45.22 59.2,45.229 55.254,45.229 53.492,46.992 53.45,47.02 53.4,47.029 49.8,47.029 49.75,47.02 49.708,46.992 41.408,38.692 41.38,38.65 41.371,38.6 41.371,38.4 41.371,26.01 34.029,26.01 34.029,28.746 36.354,31.071 38,31.071 38.05,31.08 38.092,31.108 39.192,32.208 40.192,33.208 40.22,33.25 40.229,33.3 40.229,40.646 47.554,47.971 61.446,47.971 63.308,46.108 64.432,44.985 64.474,44.957 64.524,44.947 64.573,44.957 64.594,44.971 72.631,44.971 72.68,44.98 72.715,45.004 72.75,44.98 72.8,44.971 72.85,44.98 72.892,45.008 74.292,46.408 78.554,50.671 82.2,50.671 82.25,50.68 82.292,50.708 85.792,54.208 85.82,54.25 85.829,54.3 85.829,58 85.829,73.4 85.82,73.45 85.792,73.492 76.529,82.754 76.529,87.5 76.52,87.55 76.492,87.592 74.692,89.392 74.65,89.42 74.6,89.429 36.554,89.429 36.229,89.754 36.229,94.99 94.99,94.99
VCC_3V3_Conv on Power plane (split plane): 55.108,45.008 55.15,44.98 55.2,44.971 59.071,44.971 59.071,35.654 56.708,33.292 56.68,33.25 56.671,33.2 56.671,26.01 52.21,26.01 52.21,29.356 52.23,29.42 52.24,29.52 52.23,29.62 52.201,29.715 52.154,29.804 52.09,29.881 52.013,29.944 51.925,29.992 51.829,30.021 51.729,30.03 43.829,30.03 43.73,30.021 43.634,29.992 43.546,29.944 43.468,29.881 43.405,29.804 43.358,29.715 43.329,29.62 43.319,29.52 43.319,26.01 41.629,26.01 41.629,38.4 41.629,38.546 49.854,46.771 53.346,46.771
VCC_15V on Power plane (split plane): 52.071,72.546 52.071,70.654 51.246,69.829 35.4,69.829 35.35,69.82 35.308,69.792 30.808,65.292 30.78,65.25 30.771,65.2 30.771,48 30.78,47.95 30.808,47.908 32.008,46.708 32.05,46.68 32.1,46.671 34.5,46.671 34.55,46.68 34.592,46.708 35.954,48.071 37.646,48.071 38.071,47.646 38.071,46.454 37.146,45.529 29.354,45.529 28.929,45.954 28.929,65.546 36.554,73.171 51.446,73.171
VCC_3V3 on Power plane (split plane): 35.971,89.7 35.98,89.65 36.008,89.608 36.408,89.208 36.45,89.18 36.5,89.171 74.546,89.171 76.271,87.446 76.271,82.7 76.28,82.65 76.308,82.608 85.571,73.346 85.571,58 85.571,54.354 82.146,50.929 78.4,50.929 78.35,50.92 78.308,50.892 78.28,50.85 78.271,50.8 78.278,50.761 74.108,46.592 72.714,45.197 72.68,45.22 72.631,45.229 64.554,45.229 63.492,46.292 61.592,48.192 61.55,48.22 61.5,48.229 47.5,48.229 47.45,48.22 47.408,48.192 40.008,40.792 39.98,40.75 39.971,40.7 39.971,33.354 39.008,32.392 37.946,31.329 36.3,31.329 36.25,31.32 36.208,31.292 33.808,28.892 33.78,28.85 33.771,28.8 33.771,26.01 25.91,26.01 25.91,94.99 35.971,94.99

## Other copper
Top Layer:
  pour cut-out: 50.17,70.5 50.172,70.498 50.172,69.554 50.25,69.475 50.33,69.555 50.33,70.225
  pour cut-out: 50.17,77.8 50.17,78.737 50.324,78.891 50.324,77.954
Bottom Layer:
  pour cut-out: 58.2,83.3 60.8,83.3 75.6,68.5 75.6,68.4 78.8,68.4 83.4,63.8 83.45,63.8 83.45,61.65 83.4,61.6 78.7,66.3 73.8,66.3 57.044,83.056 57.044,83.352
Power plane (plane layer: these items are gaps in the copper):
  lines w0.254: 33.9,25.5 33.9,28.8 36.3,31.2 38,31.2 39.1,32.3 40.1,33.3 40.1,40.7 47.5,48.1 61.5,48.1 63.4,46.2 64.524,45.076 ; 36.1,95.5 36.1,89.7 36.5,89.3 74.6,89.3 76.4,87.5 76.4,82.7 85.7,73.4 85.7,58 85.7,54.3 82.2,50.8 78.4,50.8 ; 41.5,25.8 41.5,38.4 41.5,38.6 49.8,46.9 50.3,46.9 53.4,46.9 55.2,45.1 59.2,45.1 59.2,35.6 56.8,33.2 56.8,25.6 ; 51.2,73.3 51.5,73.3 ; 52.162,70.562 51.3,69.7 35.4,69.7 30.9,65.2 30.9,48 32.1,46.8 34.5,46.8 35.9,48.2 37.7,48.2 38.2,47.7 38.2,46.4 37.2,45.4 29.3,45.4 28.8,45.9 28.8,65.6 36.5,73.3 51.5,73.3 ; 52.2,70.6 52.2,72.6 51.5,73.3 ; 64.524,45.1 72.631,45.1 ; 72.8,45.1 74.2,46.5 78.5,50.8 78.9,50.8

## Silkscreen, mask and mechanical layers (free items; w line width, h text height)
Mechanical 1:
  the board outline again, w0.254

## Dimensions
95.5,95.5 to 95.5,25.5 on Mechanical 13
25.4,95.5 to 95.5,95.5 on Mechanical 13